# Altium PCB AirScoutPCBV2.0.PcbDoc (continued)
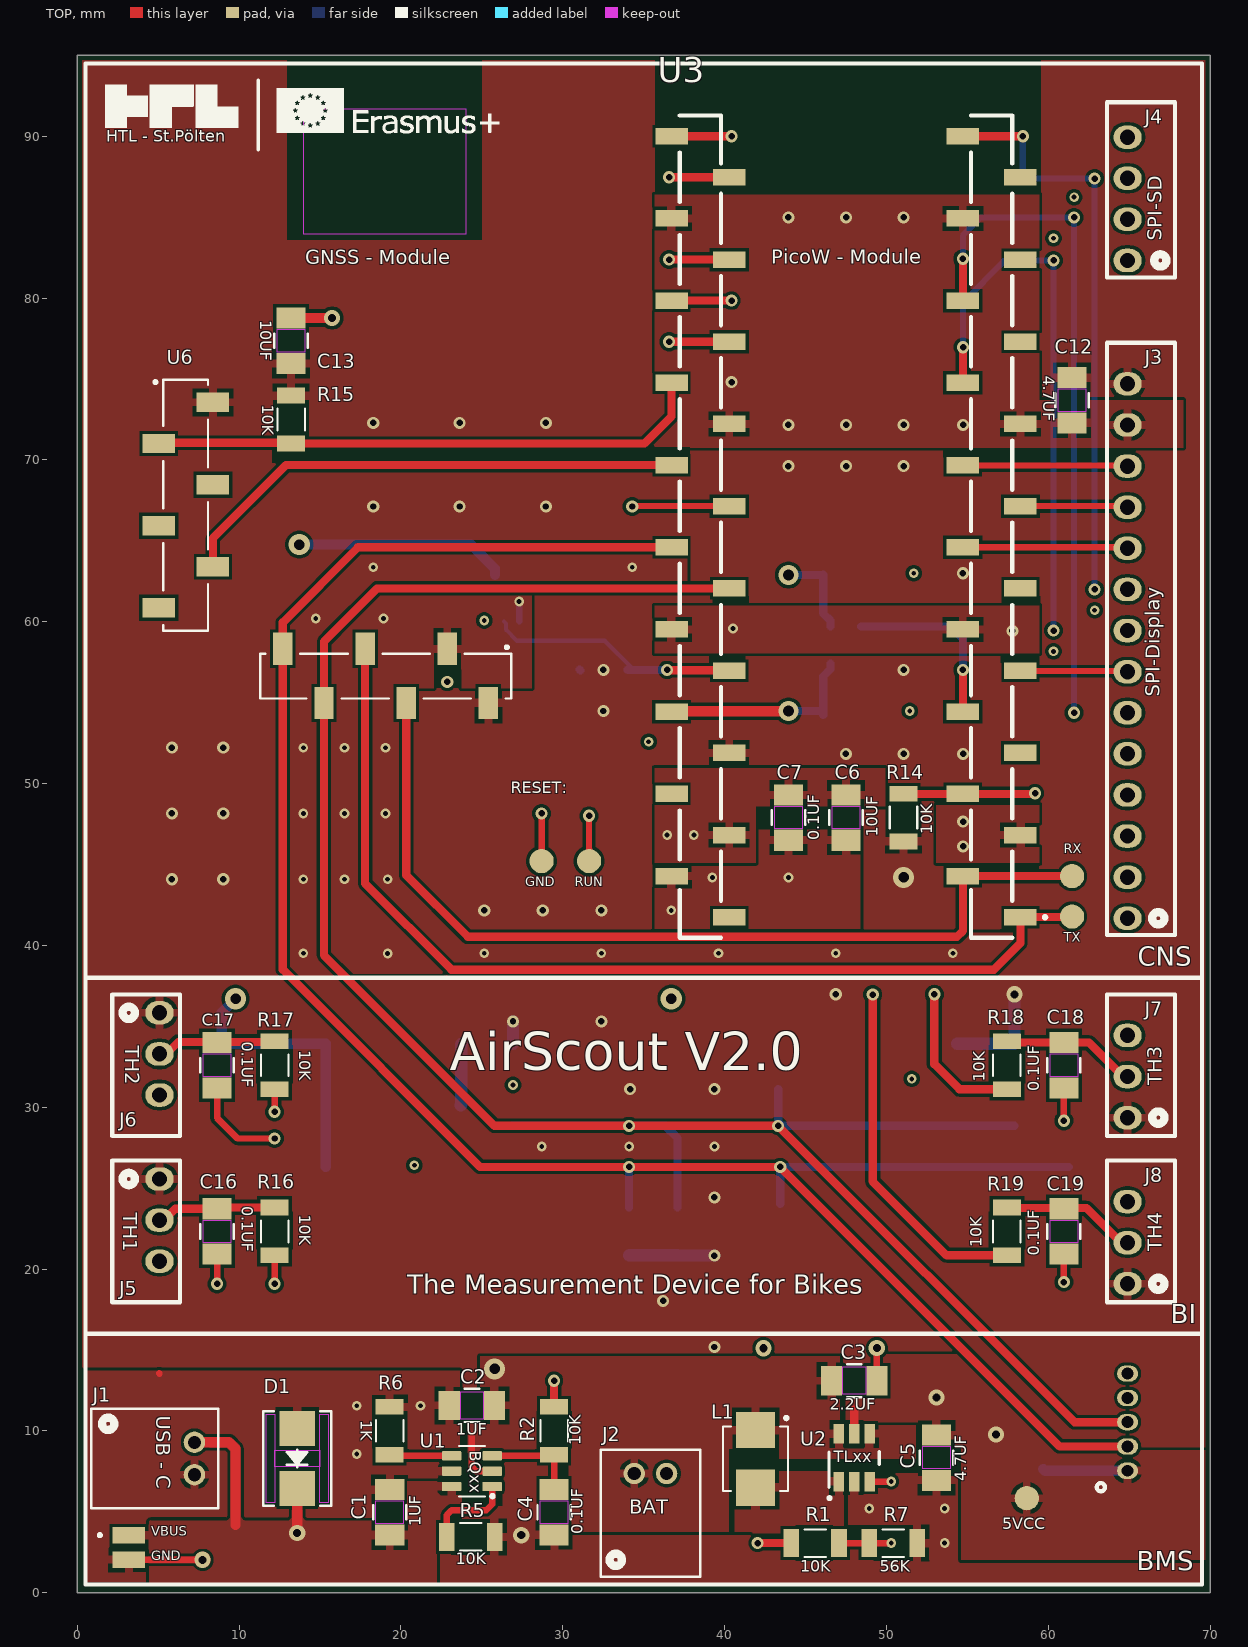
[diagram p0: TOP view]
## Footprints (in the part's own frame and the unit in brackets; to place one, negate y for a bottom-side part, rotate by r counter-clockwise, add the part's x,y. Pads: shape width x height; smd on the part's side, far side on the other; paste and mask are expansions set on the pad)
CAM8MQ-Mod [mm] "For SMD Soldering"
  rect 1.2x2 smd paste+0 mask+0.025: 1(18.4,3.376) 2(20.94,0.024) 3(23.48,3.376) 4(26.02,0.024) 5(28.56,3.376) 6(31.1,0.024)
  rect 2x1.2 smd paste+0 mask+0.025: 7(36.976,20.4) 8(33.624,17.86) 9(36.976,15.32) 10(33.624,12.78) 11(36.976,10.24) 12(33.624,7.7)
  TOP keep-out region: 0.25,19 8,19 8,9 0.25,9
  silkscreen extent 17,0.3 36.7,21.8, body extent 17.14,-0.5 37.58,21.59, height 7.49
CAPC340180_140N_KEM [mm] "Caseform: 1206 Imperial; for Caps"
  rect 1.306x1.8 smd paste+0 mask+0: 1(-1.403,0) 2(1.403,0)
  TOP keep-out region: -0.699,-0.849 -0.699,0.849 0.699,0.849 0.699,-0.849
  silkscreen extent -0.44,-1.03 0.44,1.03, body extent -1.7,-0.9 1.7,0.9, height 1.4
CONN5_B5B-ZR_JST [mm]
  oval 1x1.3 hole 0.737 paste-2539.97: 1(0,0) 2(-1.5,0) 3(-3,0) 4(-4.5,0) 5(-6,0)
  silkscreen extent -7.62,-1.43 1.62,2.33, body extent -7.5,-1.24 1.5,2.26, height 4.5
CONN_3POL_SAMTEC [mm] "0705430013"
  oval 1.45x1.75 hole 0.95: 1(0,0) 2(-2.54,0) 3(-5.08,0)
  silkscreen extent -7.62,-1.27 1.14,2.92, body extent -7.23,-1.27 0.88,5.08, height 5.46
CONN_14POL_SAMTEC [mm] "0705430013"
  oval 1.45x1.75 hole 0.95: 1(0,0) 2(-2.54,0) 3(-5.08,0) 4(-7.62,0) 5(-10.16,0) 6(-12.7,0) 7(-15.24,0) 8(-17.78,0) 9(-20.32,0) 10(-22.86,0) 11(-25.4,0) 12(-27.94,0) 13(-30.48,0) 14(-33.02,0)
  silkscreen extent -35.56,-1.27 1.03,2.92, body extent -35.29,-1.27 0.75,5.08, height 5.97
CONN_S2B-PH-K-S_JST [mil]
  round 52 hole 32 paste-99999 mask+0: 1(0,0) 2(78.74,0)
  silkscreen extent -82,-251 160,58, body extent -77,-244 155,55, height 189
DBV0006A_M [mm]
  rect 1.2x0.65 smd paste+0 mask+0.051: 1(-1.475,0.95) 2(-1.475,0) 3(-1.475,-0.95) 4(1.475,-0.95) 5(1.475,0) 6(1.475,0.95)
  silkscreen extent -1.83,-1.55 0.38,1.55, body extent -1.4,-1.45 1.4,1.45, height 1.2
IFX-SMD-LG-MLGA-14-1-V_MODUL [mm] "Module, 2.54 mm Pitch, 14 Pin, 14.00 mm W X 13.80 mm L X 7.68 mm H Body"
  rect 1.905x1.02 smd: 1(4.455,15.5) 2(1.25,12.96) 3(4.455,10.42) 4(1.25,7.88) 5(4.455,5.34) 6(22.455,5.34) 7(19.25,7.88) 8(22.455,10.42) 9(19.25,12.96) 10(22.455,15.5) 11(1.25,2.8) 12(19.25,2.8)
  silkscreen extent 1.55,1.53 22.15,16.77, body extent 0.77,1.52 22.96,16.76, height 7.49
IND_FDSD0420-H-100M=P3 [mm]
  rect 2.25x2.4 smd: 1(-1.778,0) 2(1.778,0)
  silkscreen extent -2.62,-2 2,2, body extent -2,-2 2,2, height 2
"PicoW SC019" [mm] "For Description look into Schematics"
  rect 2x1.02 smd: 1(-10.778,24.26) 2(-7.222,21.72) 3(-10.778,19.18) 4(-7.222,16.64) 5(-10.778,14.1) 6(-7.222,11.56) 7(-10.778,9.02) 8(-7.222,6.48) 9(-10.778,3.94) 10(-7.222,1.4) 11(-10.778,-1.14) 12(-7.222,-3.68) 13(-10.778,-6.22) 14(-7.222,-8.76) 15(-10.778,-11.3) 16(-7.222,-13.84) 17(-10.778,-16.38) 18(-7.222,-18.92) 19(-10.778,-21.46) 20(-7.222,-24) 21(10.778,-24) 22(7.222,-21.46) 23(10.778,-18.92) 24(7.222,-16.38) 25(10.778,-13.84) 26(7.222,-11.3) 27(10.778,-8.76) 28(7.222,-6.22) 29(10.778,-3.68) 30(7.222,-1.14) 31(10.778,1.4) 32(7.222,3.94) 33(10.778,6.48) 34(7.222,9.02) 35(10.778,11.56) 36(7.222,14.1) 37(10.778,16.64) 38(7.222,19.18) 39(10.778,21.72) 40(7.222,24.26)
  silkscreen extent -12.4,-25.27 10.27,25.53, body extent -11.41,-25.27 11.16,25.53, height 7.52
PIM357 [mm] "With BME680 Sensor"
  rect 1.2x2 smd paste+0 mask+0.025: 1(1.65,3.176) 2(4.19,-0.176) 3(6.73,3.176) 4(9.27,-0.176) 5(11.81,3.176) 6(14.35,-0.176)
  silkscreen extent 0.25,0.1 15.75,2.87, body extent 0.38,-0.75 15.62,3.54, height 7.49
RESC3116X65N [mm] "Caseform: 1206 Imperial"
  rect 0.97x1.73 smd: 1(-1.48,0) 2(1.48,0)
  silkscreen extent -0.67,-0.85 0.67,0.85, body extent -1.55,-0.8 1.55,0.8, height 0.65
SAMTEC_IDMS-04-S-02.00 [mm]
  oval 1.45x1.75 hole 0.95: 1(0,0) 2(-2.54,0) 3(-5.08,0) 4(-7.62,0)
  silkscreen extent -9.78,-1.27 1.04,2.92, body extent -9.77,-1.27 0.88,5.08, height 5.46
SMB_DIO [mm]
  rect 2.18x2.21 smd paste+0 mask+0: A(1.857,0) K(-1.857,0)
  TOP keep-out region: -2.744,1.397 -2.744,1.919 2.744,1.919 2.744,1.397
  TOP keep-out region: -2.744,-1.919 -2.744,-1.397 2.744,-1.397 2.744,-1.919
  TOP keep-out region: -0.508,-1.397 -0.508,1.397 0.508,1.397 0.508,-1.397
  silkscreen extent -2.92,-2.1 2.92,2.1, body extent -2.8,-1.97 2.8,1.97, height 2.45
SOT23-5-AP2202K_DIO-M [mil]
  rect 47.15x20 smd paste+0 mask+0: 1(-57.08,37) 2(-57.08,0) 3(-57.08,-37) 4(57.08,-37.5) 5(57.08,37.5)
  silkscreen extent -39,-66 39,66, body extent -59,-61 59,61, height 57
SOT95P280X145-6N [mm]
  rrect25% 1.21x0.58 smd: 1(-1.255,0.95) 2(-1.255,0) 3(-1.255,-0.95) 4(1.255,-0.95) 5(1.255,0) 6(1.255,0.95)
  silkscreen extent -1.37,-1.56 0.8,1.64, body extent -1.4,-1.45 1.4,1.45, height 1.45
"SOT-25   SMV_TOS" [mil]
  rect 56x22 smd paste+0 mask+0: 1(-45.06,37.4) 2(-45.06,0) 3(-45.06,-37.4) 4(45.06,-37.4) 5(45.06,37.4)
  silkscreen extent -37,-62 37,62, body extent -55,-57 55,57, height 45

## Part data
C1 C2 C8: library part CAP, "CAP CER 1UF 25V X7R 1206"
C3: library part CAP, "CAP CER 2.2UF 50V X7R 1206"
C4 C7 C10 C11 C16 C17 C18 C19 C21 C24: library part CAP, "CAP CER 0.1UF 50V X7R 1206"
C5 C12: library part CAP, "CAP CER 4.7UF 50V X7R 1206"
C6 C9 C13 C14 C15 C20 C23: library part CAP, "CAP CER 10UF 25V X7R 1206"
C22: library part CAP, "CAP CER 47UF 6.3V X5R 1206"
D1: library part Diode-Schottky, "TVS DIODE 14VWM 23.2VC SMB"
J1 J2: library part CON2x1_vertical, "CONN HEADER VERT 2POS 2MM"
J3: library part CON7x2, "Alternitives: IDMS-14-D-03.00, IDMS-14-D-02.00, IDMS-14-D-03.00-R"
J4: library part "CON 4x1", "Alternitives:  IDMS-4-D-03.00, IDMS-4-D-02.00, IDMS-4-D-03.00-R"
J5 J6 J7 J8: library part "CON 3x1", "Alternitives:  IDMS-3-D-03.00, IDMS-3-D-02.00, IDMS-3-D-03.00-R"
L1: library part Inductor, "FIXED IND 10UH 2A 216 MOHM SMD;  / AIUR-05-100K"
R1 R2 R5 R8 R12 R13 R14 R15 R16 R17 R18 R19: library part RES, "RES 10K OHM 1% 1/4W 1206"
R6: library part RES, "RES 1K OHM 1% 1/2W 1206"
R7: library part RES, "RES 56K OHM 5% 1/4W 1206"
R9: library part RES, "RES 200K OHM 5% 1/4W 1206"
R10 R11: library part RES, "RES 220K OHM 5% 1/4W 1206"
S1: library part "SPS30 Module", "Plug: CONN HEADER VERT 5POS 1.5MM; Air Sensor Dust Sensor Box SPS30 Module: 1649-1106-ND", ComponentLink1Description=Datasheet, ComponentLink1URL=https://sensirion.com/media/documents/8600FF88/64A3B8D6/Sensirion_PM_Sensors_Datasheet_SPS30.pdf, ComponentLink2Description="EU Component", ComponentLink2URL=https://www.digikey.at/en/products/detail/sensirion-ag/SPS30/9598990?gclsrc=aw.ds&gad_source=1&gad_campaignid=9415055229&gbraid=0AAAAADrbLlghU28cdFM9RQIiS448Os4NQ&gclid=Cj0KCQjwzt_FBhCEARIsAJGFWVladtv1vxGMu0RXHFTM9ng6qsDvV838Q-BR2Fl5FYFzWahIkC0y_aYaAqE3EALw_wcB
S2: library part "BME680 Module", "Header: CONN HDR 6POS 0.1 GOLD SMD; Sensor: EVAL BOARD BME680 SENSOR - Gas, Feuchtigkeit, Druck, Temperatur Evaluierungsboards - Sensoren", ComponentLink1Description=Datasheet, ComponentLink1URL=chrome-extension://efaidnbmnnnibpcajpcglclefindmkaj/https://mm.digikey.com/Volume0/opasdata/d220001/medias/docus/854/PIM357_Web.pdf
S3: library part "PASCO2V15 Module", "(2x) CONN RCPT 6POS 0.1 GOLD SMD; Sensor: EVALCO25VMINIBOARDTOBO1; EVAL BOARD", Alternate View=No, ComponentLink1Description=Datasheet, ComponentLink1URL=chrome-extension://efaidnbmnnnibpcajpcglclefindmkaj/https://www.infineon.com/assets/row/public/documents/24/49/infineon-pasco2v01-datasheet-en.pdf?fileId=8ac78c8c80027ecd01809278f1af1ba2, Multiple Parts=No, Symbol Type="XENSIV PAS CO2 1.5"
U1: "OVP (Over-Voltage-Protection), SCP (Short-Circuit- Protection), OTP (Over - Temp. - Prot.); 1-cell, 0.8-A Li-ion and Li-polymer battery charger", Package="SOT-23-6 Texas Instruments", Check_prices=https://www.snapeda.com/parts/BQ21040DBVR/Texas+Instruments/view-part/?ref=eda, MF="Texas Instruments", MP=BQ21040DBVR, SnapEDA_Link=https://www.snapeda.com/parts/BQ21040DBVR/Texas+Instruments/view-part/?ref=snap
U2: "28-V Output Voltage Boost Converter with Power Diode and Isolation Switch 6-SOT-23 -40 to 125", Manufacturer_Name="Texas Instruments", Copyright="Copyright (C) 2025 Ultra Librarian. All rights reserved.", Manufacturer_Part_Number=TLV61046ADBVR, RefDes=RefDes, Type=TYPE
U3: library part "Raspberry PicoW SC019 Module", "(2x) CONN RCPT 20POS 0.1 GOLD SMD; PicoW: SC0918; RASPBERRY PI PICO W RP2040", ComponentLink1Description="EU Component", ComponentLink1URL=https://www.reichelt.at/at/de/shop/produkt/raspberry_pi_pico_rp2040_cortex-m0_microusb-295706, ComponentLink2Description=Datasheet, ComponentLink2URL=chrome-extension://efaidnbmnnnibpcajpcglclefindmkaj/https://datasheets.raspberrypi.com/picow/pico-w-datasheet.pdf
U4: "IC OPAMP GP 1 CIRCUIT SOT23-5"
U5: library part TCR2EF33,LMCT, "IC REG LINEAR 3.3V 200MA SMV", Manufacturer_Name="Toshiba Electronic Devices & Storage Corp.", Copyright="Copyright (C) 2025 Ultra Librarian. All rights reserved.", Manufacturer_Part_Number=TCR2EF33,LM(CT, RefDes=RefDes, Type=Type
U6: library part "CAM-M8Q Module", "(2x) CONN HDR 6POS 0.1 GOLD SMD; GPS - Module:  201880; CAM-M8Q-BREAKOUT MULTI GNSS MODU", ComponentLink1Description="Datasheet IC", ComponentLink1URL=chrome-extension://efaidnbmnnnibpcajpcglclefindmkaj/https://content.u-blox.com/sites/default/files/CAM-M8-FW3_DataSheet_%28UBX-15031574%29.pdf

## Free pads (board coordinates)
  rect 2x1 smd: 1(3.175,2.032) 1(3.175,3.557)
  round 1.5 smd: 1(28.686,45.212) 1(31.623,45.212) 1(58.674,5.842) 1(61.468,41.783) 1(61.468,44.28)
  round 1.5 smd far side: 2(43.307,31.115) 2(43.434,24.041)

## Via types
v1: diameter 0.75, hole 0.4, TOP to BOTTOM, 80 vias
v2: diameter 0.6, hole 0.3, TOP to BOTTOM, 49 vias
v3: diameter 1, hole 0.5, TOP to BOTTOM, 9 vias
v4: diameter 1.3, hole 0.65, TOP to BOTTOM, 5 vias
v5: diameter 1.25, hole 0.7, TOP to BOTTOM, 2 vias

## Nets (pads, with @x,y where several pads share a name; then routed paths per layer and width w, separated by ;. In a path a pad name is that pad's centre, name@x,y a point inside that pad or via, vN(x,y) a via of type N, cw(c..) or ccw(c..) an arc to the next point about the centre after c; other vN are vias at no path point)
3V3: C12.2 C13.2 C14.2 C20.2 C21.2 J3.14 J5.1 J6.1 J7.1 J8.1 R12.2 R13.2 R14.2 R15.2 S2.1 S3.1 U3.36 U6.1 U6.7 | length 19.6
  SRC/S2 w0.762: v1(32.512,54.483) v1(32.512,57.023)
  BOTTOM w0.762: C20.2 23.723,30.149 23.723,33.897 C21.2 ; S3.1 v1(26.924,35.306) ; R13.2 R12.2 37.093,20.837 39.361,20.837 v1(39.37,20.828) ; C14.2 54.371,33.918 57.903,33.918 S2.1 v3(57.912,36.976)
  other v1: 39.37,15.183 36.195,18.034 39.37,24.422 34.163,31.115 39.37,31.115 32.385,35.306 46.863,36.976 25.146,42.164 28.765,42.164 32.385,42.164 5.842,44.088 9.016,44.088 5.842,48.152 9.016,48.152 47.498,51.835 51.054,51.835 54.737,51.835 5.842,52.216 9.016,52.216 51.054,57.027 54.722,62.992 18.288,67.12 23.622,67.12 28.956,67.12 43.946,69.618 47.502,69.618 51.058,69.618 18.288,72.282 23.622,72.282 28.956,72.282
  other v4: 51.054,44.196
3V3-REF: C8.2 U3.35 U5.5 | length 12.8
  TOP w0.635: U3.35 36.743,54.461 43.92,54.461 v5(43.942,54.483)
  BOTTOM w0.508: v5(43.942,54.483) C8.2@46.076,54.483 ; C8.2@46.086,54.241 46.095,54.232 46.095,56.613 46.548,57.066 U5.5
5VCC: C5.2 C6.2 C7.2 C9.2 C11.2 C15.2 C22.2 C23.2 C24.2 pad.1@58.674,5.842 R1.2 R10.2 S1.1 S3.10 U2.5 U3.39 U4.5 U5.1 | length 83
  TOP w0.508: v1(42.037,3.067) R1.2 ; U2.5@48.006,9.749 48.006,11.322
  SRC/S2 w0.635: v4(9.779,36.703) v4(36.703,36.703) 36.703,19.889 41.409,15.183 42.064,15.183 42.073,15.175 42.331,15.175 v3(42.4,15.105)
  BOTTOM w0.508: v5(43.942,62.881) 43.951,62.891 46.086,62.891 C11.2 46.095,60.519 46.548,60.066 U5.1
  BOTTOM w0.635: v4(9.779,36.703) 8.924,35.848 S3.10 C24.2 C23.2 C22.2 ; C15.2@59.69,7.639 59.793,7.536 S1.1
  other v1: 22.86,56.28
  other v2: 36.703,42.164 39.243,44.196 43.942,44.196 25.146,60.071
  other v3: 56.769,9.779 53.086,12.065
ADC2: R9.2 U3.34 U4.1 | length 15.7
  TOP w0.508: v1(36.449,57.023) 36.478,56.994 U3.34@40.278,56.994
  BOTTOM w0.254: U4.1 26.492,59.889 26.492,59.506 27.178,58.82 32.594,58.82 34.246,57.168 R9.2@34.246,57.042
  BOTTOM w0.508: R9.2 34.011,57.023 34.246,57.023 v1(36.449,57.023)
CHG: R2.1 R14.1 U3.4 | length 74.4
  TOP w0.508: R2.1@29.464,11.532 v1(29.464,13.1) ; R14.1@51.181,49.378 51.199,49.36 U3.4 59.139,49.36 v1(59.182,49.403)
  GND/S1 w0.508: v1(29.464,13.1) 29.525,13.1 29.76,13.335 57.385,13.335 59.182,15.132 v1(59.182,49.403)
CONT: U3.6 U5.3 | length 11.1
  TOP w0.508: U3.6 v1(54.722,57.027)
  BOTTOM w0.508: U5.3 53.955,59.71 54.722,58.943 v1(54.722,57.027)
DC: J3.10 U3.10 | length 10.5
  TOP w0.381: U3.10 J3.10@65.086,64.6
  TOP w0.508: J3.10@65.086,64.6 J3.10@65.151,64.535
EXTIN: U3.29 U6.5 | length 32
  TOP w0.508: U6.5 8.382,65.17 12.892,69.68 U3.29
FB: R1.1 R7.2 U2.3 | length 8.4
  TOP w0.4: R1.1 v2(50.292,3.067) ; U2.3 v2(50.292,6.869)
  GND/S1 w0.4: v2(50.292,3.067) v2(50.292,6.869)
GND: C1.1 C2.1 C3.1 C4.1 C5.1 C6.1 C7.1 C8.1 C9.1 C10.1 C11.1 C12.1 C13.1 C14.1 C15.1 C16.1 C17.1 C18.1 C19.1 C20.1 C21.1 C22.1 C23.1 C24.1 D1.A J1.2 J2.2 J3.13 J5.3 J6.3 J7.3 J8.3 pad.1@3.175,2.032 pad.1@28.686,45.212 R5.1 R6.1 R7.1 R11.1 S1.5 S2.2 S3.6 U1.5 U2.2 U3.3 U3.8 U3.13 U3.18 U3.23 U3.28 U3.33 U3.38 U4.2 U5.2 U6.8 | length 24.7
  TOP w0.4: pad.1@3.175,2.032 v3(7.747,2.032) ; 5.057,13.567 5.08,13.544 ; v1(8.636,19.088) C16.1 ; C17.1 8.636,29.337 9.906,28.067 v1(12.192,28.067) ; pad.1@28.686,45.212 v1(28.686,48.152) ; v3(49.403,15.113) 49.403,13.106 C3.1 ; v1(60.96,19.196) C19.1 ; v1(60.96,29.165) C18.1@60.96,31.001
  TOP w0.635: C13.1 v3(15.748,78.765)
  BOTTOM w0.4: U4.2 v2(27.305,61.252)
  other v1: 54.737,46.12 54.737,47.644 57.785,59.436 43.946,72.158 47.502,72.158 51.058,72.158 54.737,72.158 40.426,74.803 43.946,84.982 47.502,84.982 51.058,84.982
  other v2: 53.594,3.067 48.939,5.207 53.594,5.207 17.272,8.572 17.272,11.557 21.209,11.557 20.828,26.416 28.702,27.578 34.099,27.578 39.37,27.578 26.924,31.369 51.562,31.75 19.177,39.497 13.97,39.516 25.146,39.516 32.385,39.516 39.624,39.516 46.863,39.516 54.102,39.516 13.97,44.088 16.51,44.088 19.177,44.088 36.449,46.82 38.1,46.82 13.97,48.152 16.51,48.152 19.05,48.152 13.97,52.216 16.51,52.216 19.05,52.216 35.306,52.578 51.435,54.483 60.325,58.166 40.513,59.582 14.732,60.198 18.923,60.198 62.865,60.706 51.689,62.992 18.288,63.361 34.29,63.361 60.325,83.693 61.595,86.233
  other v3: 27.432,3.556
I2C/SCL: pad.2@43.307,31.115 R12.1 S1.3 S2.3 S3.3 U3.32 U6.11 | length 139
  TOP w0.508: U3.32 18.524,62.06 15.246,58.782 U6.11 15.243,54.973 15.243,39.386 25.781,28.848 v1(34.099,28.848) v1(43.307,28.848) 61.619,10.536 S1.3
  BOTTOM w0.508: S3.3 v1(34.099,28.848) 34.103,28.851 36.319,28.851 37.084,28.086 R12.1 ; pad.2@43.307,31.115 v1(43.307,28.848) S2.3
I2C/SDA: pad.2@43.434,24.041 R13.1 S1.2 S2.4 S3.4 U3.31 U6.12 | length 137.9
  TOP w0.508: U3.31@36.232,64.6 17.337,64.6 12.7,59.963 12.7,58.328 12.7,38.5 24.892,26.308 v1(34.099,26.308) v1(43.434,26.308) 60.706,9.036 S1.2
  BOTTOM w0.508: S3.4 v1(34.099,26.308) R13.1 ; pad.2@43.434,24.041 v1(43.434,26.308) S2.4
LED: J3.7 U3.7 | length 7.2
  TOP w0.381: U3.7@58.311,56.947 J3.7@65.373,56.947
  TOP w0.508: U3.7 U3.7@58.311,56.947 ; J3.7@65.373,56.947 J3.7@65.405,56.915
NetC4_2: C4.2 R2.2 U1.3 | length 6
  TOP w0.4: U1.3 29.398,8.462 R2.2 C4.2
NetC10_2: C10.2 R8.1 U4.3
NetC16_2: C16.2 J5.2 R16.1 | length 7.4
  TOP w0.508: J5.2 5.355,23.025 6.059,23.729 C16.2 8.713,23.806 R16.1
NetC17_2: C17.2 J6.2 R17.1 | length 7.4
  TOP w0.508: J6.2 5.496,33.293 6.239,34.036 8.636,34.036 12.153,34.036 R17.1
NetC18_2: C18.2 J7.2 R18.1 | length 8.4
  TOP w0.508: R18.1 57.52,33.997 62.521,33.997 64.622,31.896 J7.2
NetC19_2: C19.2 J8.2 R19.1 | length 8.4
  TOP w0.508: R19.1 57.481,23.768 60.921,23.768 C19.2 60.999,23.768 62.357,23.768 64.497,21.628 J8.2
NetL1_2: L1.2 U2.1
NetR5_2: R5.2 U1.1 | length 5.5
  TOP w0.4: R5.2 22.827,4.796 23.13,5.099 25.273,5.099 25.639,5.465 U1.1
NetR6_2: R6.2 U1.4 | length 3.9
  TOP w0.4: R6.2 19.37,8.462 U1.4
RESET: R15.1 U3.27 U6.2 | length 34.5
  TOP w0.508: U6.2 5.077,71.06 R15.1@13.208,71.06 ; R15.1 35.052,71.012 36.722,72.682 U3.27
RST: J3.11 U3.11 | length 7.2
  TOP w0.381: U3.11 J3.11@64.624,67.14
  TOP w0.508: J3.11@64.624,67.14 64.816,66.948 65.024,66.948 J3.11@65.278,67.202
RUN: pad.1@31.623,45.212 U3.30 | length 29
  TOP w0.381: pad.1@31.623,45.212 31.663,45.426 31.663,45.869 31.623,45.909 v1(31.623,48.006) ; v1@34.311,67.14 U3.30
  GND/S1 w0.381: v1(31.623,48.006) 31.623,64.453 v1(34.29,67.12)
SPI/CS-DIS: J3.12 U3.12 | length 10.5
  TOP w0.381: U3.12@54.755,69.647 J3.12@65.119,69.647
  TOP w0.508: U3.12 U3.12@54.755,69.647 ; J3.12@65.119,69.647 J3.12@65.151,69.615
SPI/CS-SD: J4.4 U3.21 | length 30.5
  TOP w0.508: U3.21 v1(40.426,90)
  GND/S1 w0.381: v1(40.426,90) 40.426,91.118 41.275,91.967 62.872,91.967 J4.4
SPI/MISO: J3.6 J4.2 U3.16 | length 49.1
  TOP w0.508: U3.16 v1(54.722,82.427)
  GND/S1 w0.381: v1(61.595,84.982) v1@61.615,84.962 ; J4.2@65.385,84.962 J4.2@65.405,84.942
  GND/S1 w0.508: v1(61.595,54.375) J3.6 ; v1@61.615,84.962 J4.2@65.385,84.962
  BOTTOM w0.381: v1(54.722,82.427) 54.722,83.865 55.839,84.982 v1(61.595,84.982) v1(61.595,54.375)
SPI/MOSI: J3.9 J4.3 U3.20 | length 40
  TOP w0.508: U3.20 v1(58.426,90)
  GND/S1 w0.381: v1@62.856,61.985 v1(62.865,61.995) ; v1(62.865,87.376) v1@62.878,87.389 ; J3.9@64.888,61.985 J3.9
  GND/S1 w0.508: v1(62.865,61.995) 64.878,61.995 J3.9@64.888,61.985 ; v1@62.878,87.389 J4.3@64.897,87.389
  BOTTOM w0.381: v1(58.426,90) 58.426,87.751 58.801,87.376 v1(62.865,87.376) v1(62.865,61.995)
SPI/SCK: J3.8 J4.1 U3.14 | length 43.8
  TOP w0.508: U3.14 54.737,74.775 v1(54.737,76.962)
  GND/S1 w0.508: v1(60.325,59.455) J3.8 ; v1(60.325,82.322) J4.1
  BOTTOM w0.381: v1(54.737,76.962) 54.737,79.737 57.322,82.322 v1(60.325,82.322) v1@60.325,59.309
TCH1: R16.2 U3.25 | length 102.8
  TOP w0.4: v1(12.192,19.088) R16.2
  TOP w0.508: U3.25@36.74,79.822 U3.25 v1(40.426,79.84)
  GND/S1 w0.508: v1(12.192,19.088) 43.326,19.088 45.72,21.482 45.72,39.389 ; v1(40.426,79.84) 44.258,79.84 45.72,78.378 45.72,39.399
TCH2: R17.2 U3.26 | length 86.3
  TOP w0.4: v1(12.192,29.718) R17.2
  TOP w0.508: v1(36.574,77.3) U3.26
  GND/S1 w0.508: v1(12.192,29.718) 12.205,29.731 39.872,29.731 42.164,32.023 42.164,76.219 41.083,77.3 v1(36.574,77.3)
TCH3: R18.2 U3.22 | length 81.2
  TOP w0.508: v1(36.574,87.46) U3.22 ; v1@52.959,37.103 52.959,32.658 54.502,31.114 R18.2
  GND/S1 w0.508: v1(36.574,87.46) 37.906,88.792 51.689,88.792 52.959,87.522 v1@52.959,37.018
  other v1: 52.959,36.976
TCH4: R19.2 U3.24 | length 84.9
  TOP w0.508: v1(36.574,82.38) U3.24 ; v1(49.149,36.957) 49.149,25.419 53.722,20.846 R19.2
  GND/S1 w0.508: v1(36.574,82.38) 37.906,83.712 48.387,83.712 49.149,82.95 v1(49.149,36.957)
UART/RX: pad.1@61.468,44.28 U3.2 U6.9 | length 57
  TOP w0.508: U6.9 20.326,44.336 24.13,40.532 54.356,40.532 54.722,40.898 U3.2 61.552,44.28 pad.1@61.595,44.323
UART/TX: pad.1@61.468,41.783 U3.1 U6.10 | length 62.7
  TOP w0.508: U6.10 17.786,43.828 23.114,38.5 56.642,38.5 58.278,40.136 U3.1 58.299,41.762 61.447,41.762 pad.1@61.468,41.783
VBUS: C1.2 D1.K J1.1 pad.1@3.175,3.557 U1.6 | length 10.3
  TOP w0.635: J1.1 9.376,9.293 9.779,8.89 9.779,4.191 ; v3(13.588,3.684) D1.K@13.588,6.562
VCC: C2.2 C3.2 J2.1 L1.1 R8.2 U1.2 U2.4 U2.6 | length 87.9
  TOP w0.4: 24.384,9.798 24.384,7.766 24.638,7.512 U1.2
  SRC/S2 w0.635: v4(13.716,64.77) 9.906,64.77 7.429,62.293 7.429,18.606 12.334,13.701 25.654,13.701 v4(25.781,13.828)
  BOTTOM w0.635: v4(13.716,64.77) 24.322,64.77 25.812,63.28 R8.2
VIN-: R9.1 R10.1 R11.2 U4.4 | length 0.1
  BOTTOM w0.508: R9.1 R9.1@31.094,56.98
pads on no net: J3.1 J3.2 J3.3 J3.4 J3.5 S1.4 S2.5 S2.6 S3.2 S3.5 S3.7 S3.8 S3.9 S3.11 S3.12 U3.5 U3.9 U3.15 U3.17 U3.19 U3.37 U3.40 U5.4 U6.3 U6.4 U6.6

## Polygon pours and split planes (outlines as drawn)
GND on TOP "GND_L01_P090" (solid, pour order 90): 26.289,8.255 26.289,5.334 24.384,5.334 22.225,3.175 22.225,0.508 22.233,0.5 69.5,0.5 69.5,2.001 69.469,2.032 69.342,1.905 54.61,1.905 54.61,7.239 54.483,7.366 50.546,7.366 50.546,3.556 30.353,3.556 30.353,8.255
NetL1_2 on TOP "NETL1_2_L01_P069" (solid, pour order 69): 43.434,7.258 43.434,4.337 40.64,4.337 40.64,7.258
GND on TOP "GND_L01_P068" (solid, pour order 68): 47.625,7.385 47.625,4.191 51.435,4.191 51.435,2.051 54.864,2.051 54.864,7.385
NetL1_2 on TOP "NETL1_2_L01_P067" (solid, pour order 67): 47.371,7.512 47.371,3.683 40.64,3.683 40.64,7.512
VCC on TOP "VCC_L01_P059" (solid, pour order 59): 47.371,10.687 45.906,10.687 45.974,10.619 45.974,8.909 43.364,8.909 43.364,8.274 51.816,8.274 51.816,10.433 48.641,10.433 48.641,8.909 47.371,8.909
5VCC on TOP "5VCC_L01_P057" (solid, pour order 57): 52.07,8.973 52.07,14.732 55.107,14.732 56.356,8.973
5VCC on TOP "5VCC_L01_P030" (solid, pour order 30): 47.498,10.541 47.498,14.732 52.433,14.732 52.433,10.541
VBUS on TOP "VBUS_L01_P008" (solid, pour order 8): 4.438,4.466 4.438,0.508 22.225,0.508 22.225,4.422
VBUS on TOP "VBUS_L01_P010" (solid, pour order 10): 6.35,10.795 6.35,8.509 8.128,8.509 8.128,4.953 2.159,4.953 2.159,2.667 22.098,2.667 22.098,5.207 12.065,5.207 12.192,5.334 12.192,10.795
3V3 on TOP "3V3_L01_P088" (solid, remove dead copper, pour order 88): 0,95 70,95 70,0.067 0,0.067
VCC on TOP "VCC_L01_P087" (solid, pour order 87): 28.575,14.605 39.116,14.605 39.116,12.116 39.116,12.173 38.827,12.173 28.575,12.173
5VCC on TOP "5VCC_L01_P014" (solid, pour order 14): 54.61,14.477 60.287,8.8 70.104,8.8 70.104,2.032 54.61,2.032
VCC on TOP "VCC_L01_P017" (solid, pour order 17): 47.117,14.605 34.925,14.605 34.925,8.909 47.117,8.909
GND on TOP "GND_L01_P009" (solid, remove dead copper, pour order 9): 18.288,13.716 0.508,13.716 0.508,0.635 18.415,0.635 18.415,5.631 18.455,5.671 23.876,5.671 23.876,8.255 18.288,8.255 18.288,10.814
VBUS on TOP "VBUS_L01_P003" (solid, pour order 3): 23.749,4.337 23.749,6.877 20.32,6.877 20.153,6.71 20.153,4.273 18.455,4.273 18.415,4.233 18.415,2.921 22.225,2.921 22.225,4.337
VCC on TOP "VCC_L01_P086" (solid, pour order 86): 30.353,13.97 40.259,13.97 40.259,3.556 30.353,3.556
GND on TOP "NONET_L-01_P-001" (solid, pour order 31): 53.086,48.66 59.436,48.66 59.436,45.104 53.086,45.104
GND on TOP "GND_L01_P083" (solid, pour order 83): 15.391,59.836 15.391,39.238 25.781,28.848 43.307,28.848 61.619,10.536 64.897,10.536 64.897,9.036 60.706,9.036 43.434,26.308 24.892,26.308 12.7,38.5 12.7,59.836
GND on TOP "NONET_L-01_P-001" (solid, pour order 32): 35.687,45.104 35.687,50.946 41.91,50.946 41.91,45.104
GND on TOP "NONET_L-01_P-001" (solid, pour order 33): 15.367,59.836 20.066,59.836 20.066,44.342 24.13,40.278 54.356,40.278 54.864,40.786 57.912,40.786 57.912,40.024 56.134,38.246 17.018,38.246 15.367,39.897
5VCC on TOP "NONET_L-01_P-001" (solid, pour order 48): 41.91,47.136 48.387,47.136 48.387,41.04 35.687,41.04 35.687,45.104 41.91,45.104
GND on TOP "NONET_L-01_P-001" (solid, pour order 52): 43.347,48.597 49.911,48.597 49.911,50.946 48.26,50.946 41.91,50.946 41.91,48.597
GND on TOP "NONET_L-01_P-001" (solid, pour order 53): 35.687,60.979 59.436,60.979 59.436,58.058 35.687,58.058
GND on TOP "NONET_L-01_P-001" (solid, pour order 54): 68.326,70.761 35.56,70.761 35.56,73.682 68.326,73.682
GND on TOP "NONET_L-01_P-001" (solid, pour order 55): 35.687,86.379 59.436,86.379 59.436,73.552 35.687,73.552
GND on TOP "GND_L01_P012" (solid, pour order 12): 16.046,59.582 12.827,59.582 17.845,64.6 37.7,64.6 37.7,62.122 18.586,62.122
GND on TOP "GND_L01_P056" (solid, pour order 56): 16.383,59.582 18.796,61.995 28.067,61.995 28.067,55.899 18.542,55.899 18.542,59.582
VCC on TOP "VCC_L01_P073" (solid, pour order 73): 24.13,10.433 24.13,8.655 28.575,8.655 28.575,14.605 24.892,14.605 24.892,10.433
GND on TOP "GND_L01_P082" (solid, pour order 82): 23.622,13.716 23.622,8.782 20.32,8.782 20.32,10.941 18.161,10.941 18.161,13.716
3V3 on BOTTOM "3V3_L04_P021" (solid, pour order 21): 23.114,43.18 34.163,43.18 34.163,33.401 23.114,33.401
GND on BOTTOM "GND_L04_P089" (solid, pour order 89): 0,95 70,95 70,0 0,0
GND on BOTTOM "GND_L04_P076" (solid, pour order 76): 54.722,78.871 58.293,82.442 60.198,82.442 60.198,61.614 63.754,61.614 63.754,84.982 56.007,84.982 54.722,83.697
VIN- on BOTTOM "NONET_L-01_P-001" (solid, pour order 22): 28.067,53.594 28.067,58.439 32.004,58.439 32.004,53.594
NetC10_2 on BOTTOM "NONET_L-01_P-001" (solid, pour order 23): 27.94,60.852 27.94,58.82 32.004,58.82 32.004,63.754 27.94,63.754
5VCC on BOTTOM "NONET_L-01_P-001" (solid, pour order 42): 22.098,60.725 22.098,53.594 27.94,53.594 27.94,60.725
3V3 on SRC/S2 "3V3_L03_P085" (solid, pour order 85): 0.005,95 70.005,95 70.005,-0.042 0.005,-0.042
5VCC on SRC/S2 "5VCC_L03_P081" (solid, pour order 81): 22.098,63.881 45.974,63.881 45.974,35.433 35.56,35.433 35.56,55.245 22.098,55.245
5VCC on SRC/S2 "5VCC_L03_P074" (solid, pour order 74): 41.021,16.002 41.021,0 70,0 70,16.002
GND on GND/S1 "GND_L02_P075" (solid, pour order 75): 0,95 70,95 70,0 0,0

## Other copper
TOP:
  pour cut-out: 12.954,94.488 12.954,83.566 25.019,83.566 25.019,94.488
  pour cut-out: 59.563,86.379 59.563,94.742 35.687,94.742 35.687,94.107 35.687,86.379
  pour cut-out: 14.317,70.691 14.389,70.618 14.389,69.78 12.053,69.78 12.031,69.802 12.031,70.691
  pour cut-out: 35.594,69.898 35.522,69.971 35.522,70.809 37.858,70.809 37.88,70.787 37.88,69.898
  pour cut-out: 12.954,94.488 12.954,94.996 25.019,94.996 25.019,94.488
  pour cut-out: 55.922,70.129 55.922,70.637 53.487,70.637 53.487,70.129
  pour cut-out: 39.078,86.995 39.078,86.487 41.402,86.487 41.402,86.995
  pour cut-out: 59.478,57.445 59.478,57.953 57.027,57.953 57.027,57.445
  pour cut-out: 57.078,61.595 57.078,61.087 59.529,61.087 59.529,61.595
  pour cut-out: 41.313,57.445 41.313,57.953 39.027,57.953 39.027,57.445
  pour cut-out: 39.243,61.595 39.243,61.087 41.529,61.087 41.529,61.595
  pour cut-out: 49.193,1.948 49.193,4.186 51.537,4.186 51.537,1.948
  pour cut-out: 40.64,8.954 43.116,8.954 43.18,8.954 43.18,7.493 40.659,7.493 40.64,7.512
  pour cut-out: 44.367,1.948 44.367,4.186 46.711,4.186 46.711,1.948
  pour cut-out: 59.436,45.104 59.436,44.577 58.547,44.577 58.547,45.085
  pour cut-out: 49.935,49.124 52.173,49.124 52.173,46.78 49.935,46.78
  pour cut-out: 28.345,11.234 30.583,11.234 30.583,8.89 28.345,8.89
  pour cut-out: 23.081,2.329 23.081,4.567 25.425,4.567 25.425,2.329
  pour cut-out: 18.185,11.234 20.423,11.234 20.423,8.89 18.185,8.89
  pour cut-out: 56.324,23.552 58.562,23.552 58.562,21.208 56.324,21.208
  pour cut-out: 56.324,33.82 58.562,33.82 58.562,31.477 56.324,31.477
  pour cut-out: 11.073,23.552 13.311,23.552 13.311,21.208 11.073,21.208
  pour cut-out: 11.073,33.82 13.311,33.82 13.311,31.477 11.073,31.477
  pour cut-out: 12.089,73.718 14.327,73.718 14.327,71.374 12.089,71.374
  pour cut-out: 22.012,55.88 22.012,56.048 22.012,57.074 23.72,57.074 23.749,57.045 23.749,55.88
GND/S1:
  pour cut-out: 12.954,94.488 12.954,83.566 25.019,83.566 25.019,94.488
  pour cut-out: 59.563,86.427 59.563,94.79 35.687,94.79 35.687,94.155 35.687,86.427
SRC/S2:
  pour cut-out: 12.954,94.488 12.954,83.566 25.019,83.566 25.019,94.488
  pour cut-out: 59.563,86.379 59.563,94.742 35.687,94.742 35.687,94.107 35.687,86.379
BOTTOM:
  pour cut-out: 12.954,94.488 12.954,83.566 25.019,83.566 25.019,94.488
  pour cut-out: 59.563,86.427 59.563,94.79 35.687,94.79 35.687,94.155 35.687,86.427
  pour cut-out: 46.101,59.055 48.768,59.055 48.768,57.912 46.101,57.912
  pour cut-out: 36.239,21.314 37.96,21.314 37.96,23.346 36.239,23.346
  pour cut-out: 33.245,21.323 34.966,21.323 34.966,23.355 33.245,23.355
  pour cut-out: 26.302,55.356 26.302,53.635 28.334,53.635 28.334,55.356
  pour cut-out: 31.509,55.356 31.509,53.635 33.541,53.635 33.541,55.356
  pour cut-out: 31.509,57.896 31.509,56.175 33.541,56.175 33.541,57.896
  pour cut-out: 26.289,63.754 26.289,62.033 28.321,62.033 28.321,63.754

## Silkscreen, mask and mechanical layers (free items; w line width, h text height)
Top Overlay:
  drawing of 30 lines, arcs and shapes, not listed
  text "HTL - St.Pölten" at 1.778,89.408 h1.25
  text "SPI-SD" at 67.315,83.545 h1.5 r90
  text "PicoW - Module" at 42.892,81.796 h1.5
  text "GNSS - Module" at 14.097,81.788 h1.5
  text "10UF" at 11.049,78.613 h1.25 r270
  text "4.7UF" at 59.436,75.184 h1.25 r270
  text "10K" at 11.176,73.406 h1.25 r270
  text "SPI-Display" at 67.183,55.355 h1.5 r90
  text "RESET:" at 26.797,49.149 h1.25
  text "10K" at 53.086,46.882 h1.25 r90
  text "10UF" at 49.7,46.7 h1.25 r90
  text "0.1UF" at 46.1,46.5 h1.25 r90
  text "RX" at 60.96,45.466 h1
  text "GND" at 27.686,43.434 h1
  text "RUN" at 30.734,43.434 h1
  text "TX" at 60.96,40.005 h1
  text "CNS" at 65.532,38.354 h2
  text "0.1UF" at 9.906,34.036 h1.25 r270
  text "TH2" at 2.667,33.812 h1.5 r270
  text "10K" at 13.462,33.528 h1.25 r270
  text "10K" at 56.324,31.577 h1.25 r90
  text "AirScout V2.0" at 23,31.5 h4
  text "TH3" at 67.309,31.372 h1.5 r90
  text "0.1UF" at 59.69,30.988 h1.25 r90
  text "0.1UF" at 9.906,23.876 h1.25 r270
  text "TH1" at 2.522,23.469 h1.5 r270
  text "10K" at 13.462,23.368 h1.25 r270
  text "10K" at 56.134,21.336 h1.25 r90
  text "TH4" at 67.318,21.09 h1.5 r90
  text "0.1UF" at 59.69,20.828 h1.25 r90
  text "The Measurement Device for Bikes" at 20.374,18.06 h2
  text "BI" at 67.564,16.256 h2
  text "2.2UF" at 46.482,11.049 h1.25
  text "USB - C" at 4.572,10.927 h1.5 r270
  text "1K" at 17.272,10.668 h1.25 r270
  text "1UF" at 23.414,9.525 h1.25
  text "10K" at 31.345,9.1 h1.25 r90
  text "BQxx" at 24.003,8.763 h1.25 r270
  text "TLxx" at 46.736,7.812 h1.25
  text "4.7UF" at 55.181,6.9 h1.25 r90
  text "BAT" at 34.102,4.572 h1.5
  text "1UF" at 21.463,4.11 h1.25 r90
  text "5VCC" at 57.15,3.683 h1.25
  text "0.1UF" at 31.496,3.606 h1.25 r90
  text "VBUS" at 4.572,3.302 h1
  text "GND" at 4.572,1.778 h1
  text "10K" at 23.382,1.523 h1.25
  text "10K" at 44.66,1.055 h1.25
  text "56K" at 49.576,1.055 h1.25
  text "BMS" at 65.455,1 h2
Bottom Overlay:
  lines w0.254: 0.5,38 69.5,38 ; 0.5,38 0.5,94.5 69.5,94.5 69.5,38 ; 0.5,38 69.5,38 ; 0.5,38 0.5,0.5 69.5,0.5 69.5,38
  text "Diploma - Thesis by:" at 16.828,92.405 h1.75
  text "Layout by Rene Gaupmann" at 15.304,90.913 h1.25
  text "Firmware by Julian Brandl" at 14.543,89.516 h1.25
  text "Class/Date:" at 8.899,87.393 h1.5
  text "5BHELS, 25/26" at 9.398,86.01 h1.25
  text "0.1UF" at 49.022,64.262 h1.25
  text "10K" at 24.13,61.849 h1.25 r270
  text "0.1UF" at 35.814,61.595 h1.15 r90
  text "TCRxx" at 49.149,60.706 h1.25
  text "200K" at 35.814,58.547 h1.15 r90
  text "MCxx" at 28.702,58.293 h1.25
  text "10UF" at 23.368,57.912 h1.25
  text "220K" at 35.814,55.753 h1.15 r90
  text "220K" at 24.129,53.339 h1.15 r270
  text "1UF" at 48.514,52.451 h1.25
  text "CNS" at 4.572,38.354 h2
  text "0.1UF" at 18.161,35.179 h1.15
  text "0.1UF" at 23.749,35.179 h1.15
  text "SCL" at 44.387,32.131 h1.25
  text "10UF" at 54.229,31.877 h1.25
  text "10UF" at 18.034,31.369 h1.25
  text "10UF" at 23.622,31.369 h1.25
  text "47UF" at 18.161,27.559 h1.25
  text "SDA" at 44.577,22.225 h1.25
  text "10K" at 34.925,19.177 h1.25
  text "10K" at 38.1,19.177 h1.25
  text "PASCO2 - Module" at 29.8,16.4 h1.5
  text "BME680 - Module" at 61.1,15.6 h1.5
  text "SPS30 - Module" at 66.4,2.7 h1.5
  text "SI" at 2.5,1 h2
Mechanical 15:
  lines w0.254: 35,0 35,94 ; 0,0 70,0 70,95 0,95 0,0

## Text inside footprints (layer, text, board x,y; h text height)
U4: Bottom Overlay "*" at 25.781,60.598 h0.51 r90; Mechanical 13 "*" at 25.781,60.598 h0.51 r90
U5: Bottom Overlay "*" at 46.101,60.344 h0.51 r90; Mechanical 13 "*" at 46.101,60.344 h0.51 r90
U6: Mechanical 3 "GPS-Module" at 19.26,79.798 h0.85 r270